# KiCad board MPPT Li-Ion CN3791 charger board_panel.kicad_pcb (continued)
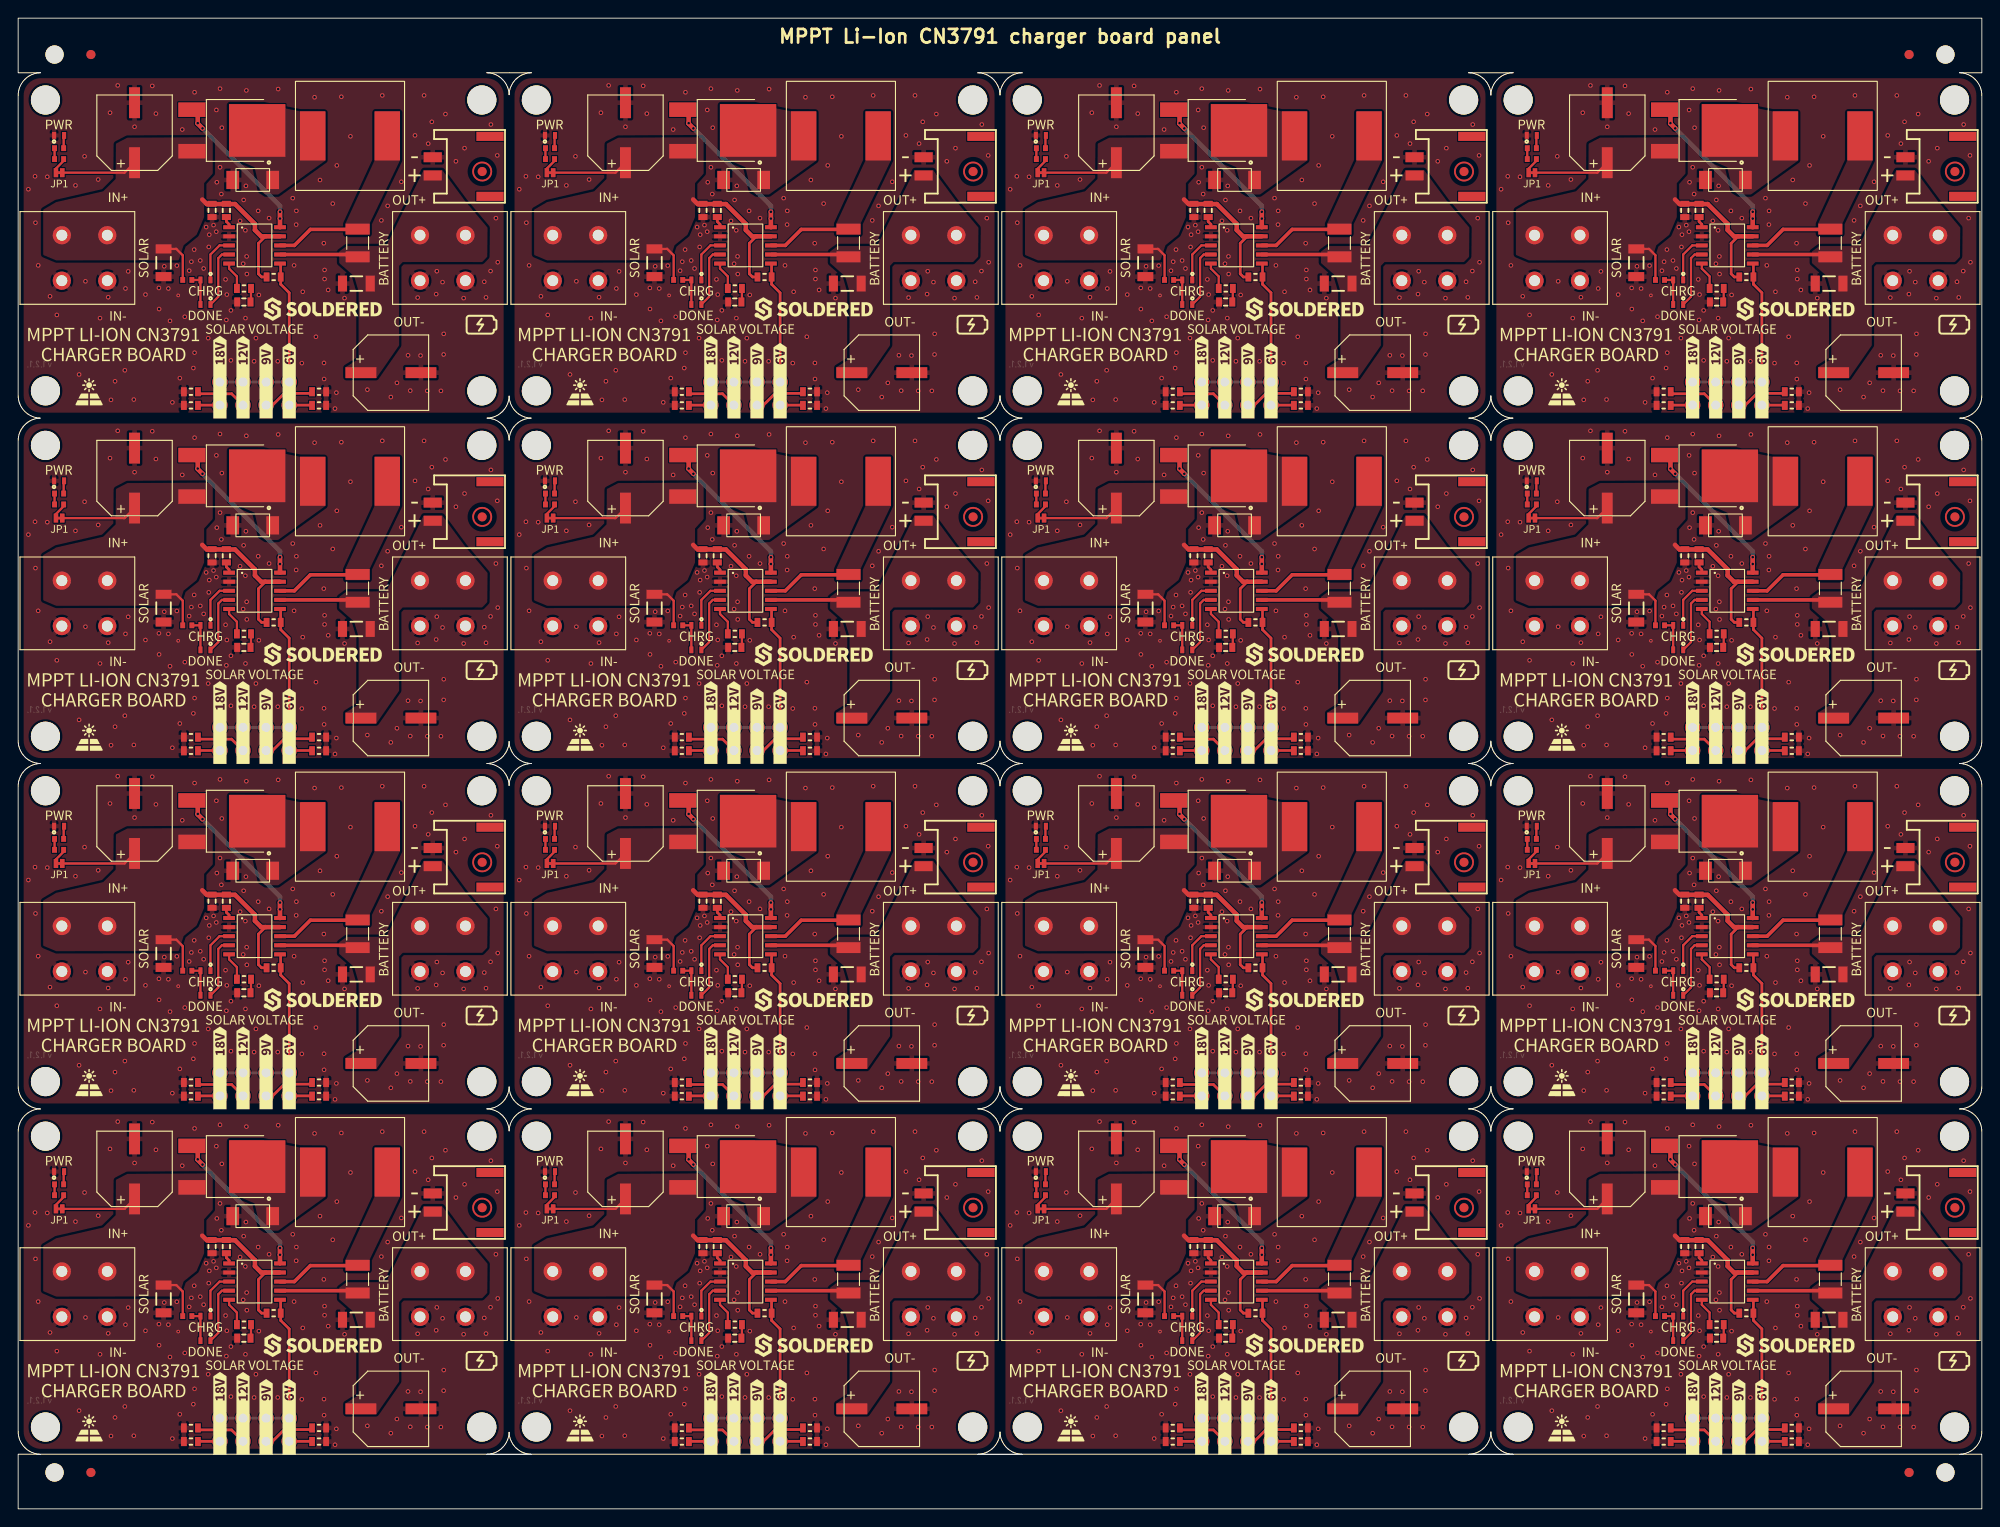
[diagram p0: board, top side]
## Placement (name value [footprint] x y rotation side) (continued)
REF**#63  -  [Logo-Back-CE-3.5mm]  66.5 122 0 top
REF**#64  -  [Logo-Front-SolderedFULL-13mm]  33.5 56 0 top
REF**#65  -  [Logo-Back-CE-3.5mm]  120.5 8 0 top
REF**#66  -  [Logo-Front-SolderedFULL-13mm]  195.5 56 0 top
REF**#67  -  [Logo-Front-SolderedFULL-13mm]  195.5 18 0 top
REF**#68  -  [Logo-Back-UKCA-3.5mm]  62 84 0 top
REF**#69  -  [Logo-Back-UKCA-3.5mm]  62 122 0 top
REF**#70  -  [Logo-Front-SolderedFULL-13mm]  33.5 18 0 top
REF**#71  Logo-Front-SolderedFULL-20mm  [Logo-Back-SolderedFULL-20mm]  189 101 0 top
REF**#72  -  [Logo-Front-SolderedFULL-13mm]  195.5 132 0 top
REF**#73  -  [Version1.2.1.]  164.1 50 180 bottom
REF**#74  -  [Version1.2.1.]  56.1 50 180 bottom
REF**#75  -  [Fiducial]  8 160 0 bottom
REF**#76  -  [Version1.2.1.]  110.1 50 180 bottom
REF**#77  -  [Version1.2.1.]  164.1 88 180 bottom
REF**#78  -  [Version1.2.1.]  56.1 126 180 bottom
REF**#79  -  [Fiducial]  8 4 0 bottom
REF**#80  -  [Version1.2.1.]  164.1 126 180 bottom
REF**#81  -  [Version1.2.1.]  2.1 50 180 bottom
REF**#82  -  [Version1.2.1.]  2.1 126 180 bottom
REF**#83  -  [Version1.2.1.]  110.1 88 180 bottom
REF**#84  -  [Version1.2.1.]  110.1 126 180 bottom
REF**#85  -  [Fiducial]  208 160 0 bottom
REF**#86  -  [Fiducial]  208 4 0 bottom
REF**#87  -  [Version1.2.1.]  2.1 88 180 bottom
REF**#88  -  [Version1.2.1.]  110.1 12 180 bottom
REF**#89  -  [Version1.2.1.]  164.1 12 180 bottom
REF**#90  -  [Version1.2.1.]  2.1 12 180 bottom
REF**#91  -  [Version1.2.1.]  56.1 12 180 bottom
REF**#92  -  [Version1.2.1.]  56.1 88 180 bottom
U1  -  [CN3791]  134 101 0 top
U1#2  -  [CN3791]  134 139 0 top
U1#3  -  [CN3791]  26 139 0 top
U1#4  -  [CN3791]  80 101 0 top
U1#5  -  [CN3791]  188 101 0 top
U1#6  -  [CN3791]  26 25 0 top
U1#7  -  [CN3791]  80 25 0 top
U1#8  -  [CN3791]  80 139 0 top
U1#9  -  [CN3791]  26 101 0 top
U1#10  -  [CN3791]  134 63 0 top
U1#11  -  [CN3791]  188 25 0 top
U1#12  -  [CN3791]  188 63 0 top
U1#13  -  [CN3791]  188 139 0 top
U1#14  -  [CN3791]  26 63 0 top
U1#15  -  [CN3791]  134 25 0 top
U1#16  -  [CN3791]  80 63 0 top

## Library data of the parts
D1 D1#2-D1#16 D2 D2#2-D2#16 = -: Package: 0402

## Footprints (pads in the part's own frame, mm; a bottom-side part is the same pattern mirrored in y, then rotated)
0402LED
  rect 0.45x0.75 smd: 1(0.55,0) 2(-0.55,0)
0402R
  rect 0.54x0.64 smd: 1(-0.5,0) 2(0.5,0)
0603C
  rect 0.66x1 smd: 1(-0.73,0) 2(0.73,0)
0603R
  rect 0.64x1 smd: 1(-0.775,0) 2(0.775,0)
1206C
  rect 1x1.75 smd: 1(-1.525,0) 2(1.525,0)
1210R
  rect 1.2x2.65 smd: 1(-1.525,0) 2(1.525,0)
CN3791
  rect 1.3x0.45 smd: 1(-2.8,2) 2(-2.8,1) 3(-2.8,0) 4(-2.8,-1) 5(-2.8,-2) 6(2.8,-2) 7(2.8,-1) 8(2.8,0) 9(2.8,1) 10(2.8,2)
DPAK
  rect 3x1.6 smd: 1(2.79,-2.285) 3(2.79,2.285)
  rect 6.2x5.8 smd: 2(-4.39,0)
ELECTROLITIC_CAP_8x8x14.5
  rect 3.4x1.2 smd: 1(-3.3,0) 2(3.3,0)
Fiducial
  round 1 smd: (0,0)
FIDUCIAL_23
  round 1 smd: 1(0,0)
HEADER_FEMALE_4X2
  round 1.7 hole 1: 1(-1.27,3.81) 2(-1.27,1.27) 3(-1.27,-1.27) 4(-1.27,-3.81) 5(1.27,-3.81) 6(1.27,-1.27) 7(1.27,1.27) 8(1.27,3.81)
HOLE_3.2mm
  round 3.2 hole 3.2 unplated: (0,0)
JST-2pin-SMD
  rect 1x3 smd: (-3.3,3.15) (3.3,3.15)
  rect 1.1x2 smd: 1(1,-3.15) 2(-1,-3.15)
NPTH
  round 2 hole 2 unplated: (0,0)
RBR5LAM30ATFTR
  rect 1.4x2 smd: 1(2.2,0) 2(-2.2,0)
SMD-JUMPER-CONNECTED_TRACE_SLODERMASK
  rect 0.5x1 smd: 1(-0.35,0) 2(0.35,0)
TERMINAL_KF235-5.0-2P
  round 2 hole 1.2: 1(2.5,2.5) 1(2.5,-2.5) 2(-2.5,2.5) 2(-2.5,-2.5)
YPRH1209-470M
  rect 2.8x5.4 smd: 1(-4.1,0) 2(4.1,0)

## Nets
Board_0-BAT: C6#11.2 C7#12.1 K3#13.1 K6#7.1 R8#5.2 U1#3.7
Board_0-GND: C1#12.1 C2#3.1 C3#16.2 C5#12.1 C6#11.1 C7#12.2 D4#13.2 D5#14.2 K1#4.1 K3#13.2 K6#7.2 R3#12.1 R4#8.1 R6#11.1 R7#14.1 U1#3.2
Board_0-Net-(C4-Pad1): C4#10.1 U1#3.1
Board_0-Net-(C5-Pad2): C5#12.2 R2#2.1
Board_0-Net-(D1-Pad1): D1#8.1 D2#8.1 R1#15.1
Board_0-Net-(D1-Pad2): D1#8.2 U1#3.4
Board_0-Net-(D2-Pad2): D2#8.2 U1#3.3
Board_0-Net-(D3-Pad1): D3#10.1 U1#3.10
Board_0-Net-(D3-Pad2): D3#10.2 D4#13.1 L1#5.1
Board_0-Net-(D5-Pad1): D5#14.1 R9#9.2
Board_0-Net-(JP1-Pad2): JP1#7.2 R10.1
Board_0-Net-(K2-Pad1): K2#11.1 R3#12.2
Board_0-Net-(K2-Pad2): K2#11.2 R4#8.2
Board_0-Net-(K2-Pad3): K2#11.3 R6#11.2
Board_0-Net-(K2-Pad4): K2#11.4 K2#11.5 K2#11.6 K2#11.7 K2#11.8 R5#10.1 R7#14.2 U1#3.6
Board_0-Net-(L1-Pad2): L1#5.2 R8#5.1 U1#3.8
Board_0-Net-(R2-Pad2): R2#2.2 U1#3.5
Board_0-Net-(R10-Pad2): R9#9.1 R10.2
Board_0-VCC: C1#12.2 C2#3.2 C3#16.1 C4#10.2 D3#10.3 JP1#7.1 K1#4.2 R1#15.2 R5#10.2 U1#3.9
Board_1-BAT: C6#2.2 C7#16.1 K3.1 K6#2.1 R8#15.2 U1#8.7
Board_1-GND: C1#10.1 C2#12.1 C3#12.2 C5.1 C6#2.1 C7#16.2 D4#10.2 D5#11.2 K1#10.1 K3.2 K6#2.2 R3#14.1 R4#2.1 R6#2.1 R7#15.1 U1#8.2
Board_1-Net-(C4-Pad1): C4#6.1 U1#8.1
Board_1-Net-(C5-Pad2): C5.2 R2#16.1
Board_1-Net-(D1-Pad1): D1#2.1 D2#5.1 R1#13.1
Board_1-Net-(D1-Pad2): D1#2.2 U1#8.4
Board_1-Net-(D2-Pad2): D2#5.2 U1#8.3
Board_1-Net-(D3-Pad1): D3#14.1 U1#8.10
Board_1-Net-(D3-Pad2): D3#14.2 D4#10.1 L1#16.1
Board_1-Net-(D5-Pad1): D5#11.1 R9#6.2
Board_1-Net-(JP1-Pad2): JP1#4.2 R10#8.1
Board_1-Net-(K2-Pad1): K2#14.1 R3#14.2
Board_1-Net-(K2-Pad2): K2#14.2 R4#2.2
Board_1-Net-(K2-Pad3): K2#14.3 R6#2.2
Board_1-Net-(K2-Pad4): K2#14.4 K2#14.5 K2#14.6 K2#14.7 K2#14.8 R5#11.1 R7#15.2 U1#8.6
Board_1-Net-(L1-Pad2): L1#16.2 R8#15.1 U1#8.8
Board_1-Net-(R2-Pad2): R2#16.2 U1#8.5
Board_1-Net-(R10-Pad2): R9#6.1 R10#8.2
Board_1-VCC: C1#10.2 C2#12.2 C3#12.1 C4#6.2 D3#14.3 JP1#4.1 K1#10.2 R1#13.2 R5#11.2 U1#8.9
Board_2-BAT: C6#15.2 C7#4.1 K3#16.1 K6#5.1 R8#2.2 U1#2.7
Board_2-GND: C1.1 C2#8.1 C3#14.2 C5#3.1 C6#15.1 C7#4.2 D4#7.2 D5#12.2 K1#2.1 K3#16.2 K6#5.2 R3#16.1 R4#13.1 R6#7.1 R7#4.1 U1#2.2
Board_2-Net-(C4-Pad1): C4#4.1 U1#2.1
Board_2-Net-(C5-Pad2): C5#3.2 R2#5.1
Board_2-Net-(D1-Pad1): D1#15.1 D2#7.1 R1#11.1
Board_2-Net-(D1-Pad2): D1#15.2 U1#2.4
Board_2-Net-(D2-Pad2): D2#7.2 U1#2.3
Board_2-Net-(D3-Pad1): D3.1 U1#2.10
Board_2-Net-(D3-Pad2): D3.2 D4#7.1 L1#6.1
Board_2-Net-(D5-Pad1): D5#12.1 R9#12.2
Board_2-Net-(JP1-Pad2): JP1#11.2 R10#12.1
Board_2-Net-(K2-Pad1): K2#3.1 R3#16.2
Board_2-Net-(K2-Pad2): K2#3.2 R4#13.2
Board_2-Net-(K2-Pad3): K2#3.3 R6#7.2
Board_2-Net-(K2-Pad4): K2#3.4 K2#3.5 K2#3.6 K2#3.7 K2#3.8 R5#3.1 R7#4.2 U1#2.6
Board_2-Net-(L1-Pad2): L1#6.2 R8#2.1 U1#2.8
Board_2-Net-(R2-Pad2): R2#5.2 U1#2.5
Board_2-Net-(R10-Pad2): R9#12.1 R10#12.2
Board_2-VCC: C1.2 C2#8.2 C3#14.1 C4#4.2 D3.3 JP1#11.1 K1#2.2 R1#11.2 R5#3.2 U1#2.9
Board_3-BAT: C6#5.2 C7#6.1 K3#15.1 K6#13.1 R8#12.2 U1#13.7
Board_3-GND: C1#11.1 C2#9.1 C3#7.2 C5#5.1 C6#5.1 C7#6.2 D4#2.2 D5#15.2 K1#16.1 K3#15.2 K6#13.2 R3#7.1 R4#14.1 R6#15.1 R7#12.1 U1#13.2
Board_3-Net-(C4-Pad1): C4#7.1 U1#13.1
Board_3-Net-(C5-Pad2): C5#5.2 R2#10.1
Board_3-Net-(D1-Pad1): D1#12.1 D2#6.1 R1#14.1
Board_3-Net-(D1-Pad2): D1#12.2 U1#13.4
Board_3-Net-(D2-Pad2): D2#6.2 U1#13.3
Board_3-Net-(D3-Pad1): D3#5.1 U1#13.10
Board_3-Net-(D3-Pad2): D3#5.2 D4#2.1 L1#9.1
Board_3-Net-(D5-Pad1): D5#15.1 R9#11.2
Board_3-Net-(JP1-Pad2): JP1#10.2 R10#14.1
Board_3-Net-(K2-Pad1): K2#16.1 R3#7.2
Board_3-Net-(K2-Pad2): K2#16.2 R4#14.2
Board_3-Net-(K2-Pad3): K2#16.3 R6#15.2
Board_3-Net-(K2-Pad4): K2#16.4 K2#16.5 K2#16.6 K2#16.7 K2#16.8 R5#16.1 R7#12.2 U1#13.6
Board_3-Net-(L1-Pad2): L1#9.2 R8#12.1 U1#13.8
Board_3-Net-(R2-Pad2): R2#10.2 U1#13.5
Board_3-Net-(R10-Pad2): R9#11.1 R10#14.2
Board_3-VCC: C1#11.2 C2#9.2 C3#7.1 C4#7.2 D3#5.3 JP1#10.1 K1#16.2 R1#14.2 R5#16.2 U1#13.9
Board_4-BAT: C6.2 C7#9.1 K3#2.1 K6#15.1 R8#3.2 U1#9.7
Board_4-GND: C1#13.1 C2#14.1 C3#8.2 C5#16.1 C6.1 C7#9.2 D4#12.2 D5.2 K1#15.1 K3#2.2 K6#15.2 R3#15.1 R4#10.1 R6#8.1 R7#9.1 U1#9.2
Board_4-Net-(C4-Pad1): C4#12.1 U1#9.1
Board_4-Net-(C5-Pad2): C5#16.2 R2#4.1
Board_4-Net-(D1-Pad1): D1#6.1 D2#15.1 R1#7.1
Board_4-Net-(D1-Pad2): D1#6.2 U1#9.4
Board_4-Net-(D2-Pad2): D2#15.2 U1#9.3
Board_4-Net-(D3-Pad1): D3#4.1 U1#9.10
Board_4-Net-(D3-Pad2): D3#4.2 D4#12.1 L1#2.1
Board_4-Net-(D5-Pad1): D5.1 R9#4.2
Board_4-Net-(JP1-Pad2): JP1#16.2 R10#3.1
Board_4-Net-(K2-Pad1): K2#12.1 R3#15.2
Board_4-Net-(K2-Pad2): K2#12.2 R4#10.2
Board_4-Net-(K2-Pad3): K2#12.3 R6#8.2
Board_4-Net-(K2-Pad4): K2#12.4 K2#12.5 K2#12.6 K2#12.7 K2#12.8 R5#13.1 R7#9.2 U1#9.6
Board_4-Net-(L1-Pad2): L1#2.2 R8#3.1 U1#9.8
Board_4-Net-(R2-Pad2): R2#4.2 U1#9.5
Board_4-Net-(R10-Pad2): R9#4.1 R10#3.2
Board_4-VCC: C1#13.2 C2#14.2 C3#8.1 C4#12.2 D3#4.3 JP1#16.1 K1#15.2 R1#7.2 R5#13.2 U1#9.9
Board_5-BAT: C6#6.2 C7#15.1 K3#10.1 K6#3.1 R8#8.2 U1#4.7
Board_5-GND: C1#16.1 C2.1 C3#13.2 C5#15.1 C6#6.1 C7#15.2 D4#8.2 D5#10.2 K1#12.1 K3#10.2 K6#3.2 R3#4.1 R4#7.1 R6#13.1 R7#3.1 U1#4.2
Board_5-Net-(C4-Pad1): C4#9.1 U1#4.1
Board_5-Net-(C5-Pad2): C5#15.2 R2#7.1
Board_5-Net-(D1-Pad1): D1#4.1 D2#13.1 R1#4.1
Board_5-Net-(D1-Pad2): D1#4.2 U1#4.4
Board_5-Net-(D2-Pad2): D2#13.2 U1#4.3
Board_5-Net-(D3-Pad1): D3#15.1 U1#4.10
Board_5-Net-(D3-Pad2): D3#15.2 D4#8.1 L1#7.1
Board_5-Net-(D5-Pad1): D5#10.1 R9#16.2
Board_5-Net-(JP1-Pad2): JP1#14.2 R10#6.1
Board_5-Net-(K2-Pad1): K2#7.1 R3#4.2
Board_5-Net-(K2-Pad2): K2#7.2 R4#7.2
Board_5-Net-(K2-Pad3): K2#7.3 R6#13.2
Board_5-Net-(K2-Pad4): K2#7.4 K2#7.5 K2#7.6 K2#7.7 K2#7.8 R5#15.1 R7#3.2 U1#4.6
Board_5-Net-(L1-Pad2): L1#7.2 R8#8.1 U1#4.8
Board_5-Net-(R2-Pad2): R2#7.2 U1#4.5
Board_5-Net-(R10-Pad2): R9#16.1 R10#6.2
Board_5-VCC: C1#16.2 C2.2 C3#13.1 C4#9.2 D3#15.3 JP1#14.1 K1#12.2 R1#4.2 R5#15.2 U1#4.9
Board_6-BAT: C6#13.2 C7#14.1 K3#9.1 K6#14.1 R8#4.2 U1.7
Board_6-GND: C1#15.1 C2#15.1 C3#3.2 C5#14.1 C6#13.1 C7#14.2 D4#3.2 D5#16.2 K1#9.1 K3#9.2 K6#14.2 R3#3.1 R4#9.1 R6#14.1 R7.1 U1.2
Board_6-Net-(C4-Pad1): C4#11.1 U1.1
Board_6-Net-(C5-Pad2): C5#14.2 R2.1
Board_6-Net-(D1-Pad1): D1#10.1 D2#16.1 R1#2.1
Board_6-Net-(D1-Pad2): D1#10.2 U1.4
Board_6-Net-(D2-Pad2): D2#16.2 U1.3
Board_6-Net-(D3-Pad1): D3#13.1 U1.10
Board_6-Net-(D3-Pad2): D3#13.2 D4#3.1 L1#13.1
Board_6-Net-(D5-Pad1): D5#16.1 R9#13.2
Board_6-Net-(JP1-Pad2): JP1#2.2 R10#15.1
Board_6-Net-(K2-Pad1): K2#15.1 R3#3.2
Board_6-Net-(K2-Pad2): K2#15.2 R4#9.2
Board_6-Net-(K2-Pad3): K2#15.3 R6#14.2
Board_6-Net-(K2-Pad4): K2#15.4 K2#15.5 K2#15.6 K2#15.7 K2#15.8 R5#7.1 R7.2 U1.6
Board_6-Net-(L1-Pad2): L1#13.2 R8#4.1 U1.8
Board_6-Net-(R2-Pad2): R2.2 U1.5
Board_6-Net-(R10-Pad2): R9#13.1 R10#15.2
Board_6-VCC: C1#15.2 C2#15.2 C3#3.1 C4#11.2 D3#13.3 JP1#2.1 K1#9.2 R1#2.2 R5#7.2 U1.9
Board_7-BAT: C6#4.2 C7#3.1 K3#14.1 K6#9.1 R8#10.2 U1#5.7
Board_7-GND: C1#9.1 C2#13.1 C3#2.2 C5#11.1 C6#4.1 C7#3.2 D4#4.2 D5#3.2 K1.1 K3#14.2 K6#9.2 R3.1 R4#3.1 R6#12.1 R7#8.1 U1#5.2
Board_7-Net-(C4-Pad1): C4#14.1 U1#5.1
Board_7-Net-(C5-Pad2): C5#11.2 R2#14.1
Board_7-Net-(D1-Pad1): D1#16.1 D2#9.1 R1#10.1
Board_7-Net-(D1-Pad2): D1#16.2 U1#5.4
Board_7-Net-(D2-Pad2): D2#9.2 U1#5.3
Board_7-Net-(D3-Pad1): D3#2.1 U1#5.10
Board_7-Net-(D3-Pad2): D3#2.2 D4#4.1 L1#3.1
Board_7-Net-(D5-Pad1): D5#3.1 R9#15.2
Board_7-Net-(JP1-Pad2): JP1.2 R10#16.1
Board_7-Net-(K2-Pad1): K2#5.1 R3.2
Board_7-Net-(K2-Pad2): K2#5.2 R4#3.2
Board_7-Net-(K2-Pad3): K2#5.3 R6#12.2
Board_7-Net-(K2-Pad4): K2#5.4 K2#5.5 K2#5.6 K2#5.7 K2#5.8 R5#12.1 R7#8.2 U1#5.6
Board_7-Net-(L1-Pad2): L1#3.2 R8#10.1 U1#5.8
Board_7-Net-(R2-Pad2): R2#14.2 U1#5.5
Board_7-Net-(R10-Pad2): R9#15.1 R10#16.2
Board_7-VCC: C1#9.2 C2#13.2 C3#2.1 C4#14.2 D3#2.3 JP1.1 K1.2 R1#10.2 R5#12.2 U1#5.9
Board_8-BAT: C6#14.2 C7#2.1 K3#3.1 K6#4.1 R8#14.2 U1#14.7
Board_8-GND: C1#3.1 C2#16.1 C3.2 C5#2.1 C6#14.1 C7#2.2 D4#14.2 D5#6.2 K1#11.1 K3#3.2 K6#4.2 R3#5.1 R4#16.1 R6#4.1 R7#10.1 U1#14.2
Board_8-Net-(C4-Pad1): C4#13.1 U1#14.1
Board_8-Net-(C5-Pad2): C5#2.2 R2#9.1
Board_8-Net-(D1-Pad1): D1.1 D2#12.1 R1.1
Board_8-Net-(D1-Pad2): D1.2 U1#14.4
Board_8-Net-(D2-Pad2): D2#12.2 U1#14.3
Board_8-Net-(D3-Pad1): D3#3.1 U1#14.10
Board_8-Net-(D3-Pad2): D3#3.2 D4#14.1 L1#12.1
Board_8-Net-(D5-Pad1): D5#6.1 R9#3.2
Board_8-Net-(JP1-Pad2): JP1#13.2 R10#4.1
Board_8-Net-(K2-Pad1): K2#8.1 R3#5.2
Board_8-Net-(K2-Pad2): K2#8.2 R4#16.2
Board_8-Net-(K2-Pad3): K2#8.3 R6#4.2
Board_8-Net-(K2-Pad4): K2#8.4 K2#8.5 K2#8.6 K2#8.7 K2#8.8 R5#5.1 R7#10.2 U1#14.6
Board_8-Net-(L1-Pad2): L1#12.2 R8#14.1 U1#14.8
Board_8-Net-(R2-Pad2): R2#9.2 U1#14.5
Board_8-Net-(R10-Pad2): R9#3.1 R10#4.2
Board_8-VCC: C1#3.2 C2#16.2 C3.1 C4#13.2 D3#3.3 JP1#13.1 K1#11.2 R1.2 R5#5.2 U1#14.9
Board_9-BAT: C6#10.2 C7#13.1 K3#6.1 K6#11.1 R8#11.2 U1#16.7
Board_9-GND: C1#8.1 C2#5.1 C3#6.2 C5#13.1 C6#10.1 C7#13.2 D4#9.2 D5#7.2 K1#14.1 K3#6.2 K6#11.2 R3#2.1 R4#15.1 R6#3.1 R7#7.1 U1#16.2
Board_9-Net-(C4-Pad1): C4#2.1 U1#16.1
Board_9-Net-(C5-Pad2): C5#13.2 R2#6.1
Board_9-Net-(D1-Pad1): D1#5.1 D2#4.1 R1#8.1
Board_9-Net-(D1-Pad2): D1#5.2 U1#16.4
Board_9-Net-(D2-Pad2): D2#4.2 U1#16.3
Board_9-Net-(D3-Pad1): D3#12.1 U1#16.10
Board_9-Net-(D3-Pad2): D3#12.2 D4#9.1 L1#11.1
Board_9-Net-(D5-Pad1): D5#7.1 R9#8.2
Board_9-Net-(JP1-Pad2): JP1#5.2 R10#2.1
Board_9-Net-(K2-Pad1): K2#6.1 R3#2.2
Board_9-Net-(K2-Pad2): K2#6.2 R4#15.2
Board_9-Net-(K2-Pad3): K2#6.3 R6#3.2
Board_9-Net-(K2-Pad4): K2#6.4 K2#6.5 K2#6.6 K2#6.7 K2#6.8 R5.1 R7#7.2 U1#16.6
Board_9-Net-(L1-Pad2): L1#11.2 R8#11.1 U1#16.8
Board_9-Net-(R2-Pad2): R2#6.2 U1#16.5
Board_9-Net-(R10-Pad2): R9#8.1 R10#2.2
Board_9-VCC: C1#8.2 C2#5.2 C3#6.1 C4#2.2 D3#12.3 JP1#5.1 K1#14.2 R1#8.2 R5.2 U1#16.9
Board_10-BAT: C6#9.2 C7.1 K3#8.1 K6#10.1 R8#13.2 U1#10.7
Board_10-GND: C1#7.1 C2#2.1 C3#11.2 C5#9.1 C6#9.1 C7.2 D4#11.2 D5#2.2 K1#8.1 K3#8.2 K6#10.2 R3#10.1 R4#12.1 R6#6.1 R7#11.1 U1#10.2
Board_10-Net-(C4-Pad1): C4#5.1 U1#10.1
Board_10-Net-(C5-Pad2): C5#9.2 R2#3.1
Board_10-Net-(D1-Pad1): D1#14.1 D2.1 R1#6.1
Board_10-Net-(D1-Pad2): D1#14.2 U1#10.4
Board_10-Net-(D2-Pad2): D2.2 U1#10.3
Board_10-Net-(D3-Pad1): D3#7.1 U1#10.10
Board_10-Net-(D3-Pad2): D3#7.2 D4#11.1 L1#15.1
Board_10-Net-(D5-Pad1): D5#2.1 R9.2
Board_10-Net-(JP1-Pad2): JP1#6.2 R10#13.1
Board_10-Net-(K2-Pad1): K2.1 R3#10.2
Board_10-Net-(K2-Pad2): K2.2 R4#12.2
Board_10-Net-(K2-Pad3): K2.3 R6#6.2
Board_10-Net-(K2-Pad4): K2.4 K2.5 K2.6 K2.7 K2.8 R5#9.1 R7#11.2 U1#10.6
Board_10-Net-(L1-Pad2): L1#15.2 R8#13.1 U1#10.8
Board_10-Net-(R2-Pad2): R2#3.2 U1#10.5
Board_10-Net-(R10-Pad2): R9.1 R10#13.2
Board_10-VCC: C1#7.2 C2#2.2 C3#11.1 C4#5.2 D3#7.3 JP1#6.1 K1#8.2 R1#6.2 R5#9.2 U1#10.9
Board_11-BAT: C6#7.2 C7#11.1 K3#7.1 K6#16.1 R8#9.2 U1#12.7
Board_11-GND: C1#4.1 C2#11.1 C3#10.2 C5#7.1 C6#7.1 C7#11.2 D4#6.2 D5#4.2 K1#7.1 K3#7.2 K6#16.2 R3#8.1 R4#6.1 R6#5.1 R7#2.1 U1#12.2
Board_11-Net-(C4-Pad1): C4.1 U1#12.1
Board_11-Net-(C5-Pad2): C5#7.2 R2#13.1
Board_11-Net-(D1-Pad1): D1#3.1 D2#10.1 R1#12.1
Board_11-Net-(D1-Pad2): D1#3.2 U1#12.4
Board_11-Net-(D2-Pad2): D2#10.2 U1#12.3
Board_11-Net-(D3-Pad1): D3#9.1 U1#12.10
Board_11-Net-(D3-Pad2): D3#9.2 D4#6.1 L1#8.1
Board_11-Net-(D5-Pad1): D5#4.1 R9#10.2
Board_11-Net-(JP1-Pad2): JP1#8.2 R10#7.1
Board_11-Net-(K2-Pad1): K2#2.1 R3#8.2
Board_11-Net-(K2-Pad2): K2#2.2 R4#6.2
Board_11-Net-(K2-Pad3): K2#2.3 R6#5.2
Board_11-Net-(K2-Pad4): K2#2.4 K2#2.5 K2#2.6 K2#2.7 K2#2.8 R5#8.1 R7#2.2 U1#12.6
Board_11-Net-(L1-Pad2): L1#8.2 R8#9.1 U1#12.8
Board_11-Net-(R2-Pad2): R2#13.2 U1#12.5
Board_11-Net-(R10-Pad2): R9#10.1 R10#7.2
Board_11-VCC: C1#4.2 C2#11.2 C3#10.1 C4.2 D3#9.3 JP1#8.1 K1#7.2 R1#12.2 R5#8.2 U1#12.9
Board_12-BAT: C6#16.2 C7#5.1 K3#11.1 K6.1 R8#6.2 U1#6.7
Board_12-GND: C1#2.1 C2#6.1 C3#4.2 C5#10.1 C6#16.1 C7#5.2 D4#15.2 D5#5.2 K1#6.1 K3#11.2 K6.2 R3#11.1 R4.1 R6#9.1 R7#5.1 U1#6.2
Board_12-Net-(C4-Pad1): C4#3.1 U1#6.1
Board_12-Net-(C5-Pad2): C5#10.2 R2#11.1
Board_12-Net-(D1-Pad1): D1#11.1 D2#11.1 R1#3.1
Board_12-Net-(D1-Pad2): D1#11.2 U1#6.4
Board_12-Net-(D2-Pad2): D2#11.2 U1#6.3
Board_12-Net-(D3-Pad1): D3#6.1 U1#6.10
Board_12-Net-(D3-Pad2): D3#6.2 D4#15.1 L1#4.1
Board_12-Net-(D5-Pad1): D5#5.1 R9#5.2
Board_12-Net-(JP1-Pad2): JP1#15.2 R10#9.1
Board_12-Net-(K2-Pad1): K2#4.1 R3#11.2
Board_12-Net-(K2-Pad2): K2#4.2 R4.2
Board_12-Net-(K2-Pad3): K2#4.3 R6#9.2
Board_12-Net-(K2-Pad4): K2#4.4 K2#4.5 K2#4.6 K2#4.7 K2#4.8 R5#2.1 R7#5.2 U1#6.6
Board_12-Net-(L1-Pad2): L1#4.2 R8#6.1 U1#6.8
Board_12-Net-(R2-Pad2): R2#11.2 U1#6.5
Board_12-Net-(R10-Pad2): R9#5.1 R10#9.2
Board_12-VCC: C1#2.2 C2#6.2 C3#4.1 C4#3.2 D3#6.3 JP1#15.1 K1#6.2 R1#3.2 R5#2.2 U1#6.9
Board_13-BAT: C6#8.2 C7#8.1 K3#12.1 K6#8.1 R8#16.2 U1#7.7
Board_13-GND: C1#6.1 C2#10.1 C3#5.2 C5#8.1 C6#8.1 C7#8.2 D4.2 D5#13.2 K1#3.1 K3#12.2 K6#8.2 R3#6.1 R4#11.1 R6.1 R7#16.1 U1#7.2
Board_13-Net-(C4-Pad1): C4#16.1 U1#7.1
Board_13-Net-(C5-Pad2): C5#8.2 R2#8.1
Board_13-Net-(D1-Pad1): D1#7.1 D2#14.1 R1#16.1
Board_13-Net-(D1-Pad2): D1#7.2 U1#7.4
Board_13-Net-(D2-Pad2): D2#14.2 U1#7.3
Board_13-Net-(D3-Pad1): D3#16.1 U1#7.10
Board_13-Net-(D3-Pad2): D3#16.2 D4.1 L1.1
Board_13-Net-(D5-Pad1): D5#13.1 R9#2.2
Board_13-Net-(JP1-Pad2): JP1#12.2 R10#5.1
Board_13-Net-(K2-Pad1): K2#9.1 R3#6.2
Board_13-Net-(K2-Pad2): K2#9.2 R4#11.2
Board_13-Net-(K2-Pad3): K2#9.3 R6.2
Board_13-Net-(K2-Pad4): K2#9.4 K2#9.5 K2#9.6 K2#9.7 K2#9.8 R5#14.1 R7#16.2 U1#7.6
Board_13-Net-(L1-Pad2): L1.2 R8#16.1 U1#7.8
Board_13-Net-(R2-Pad2): R2#8.2 U1#7.5
Board_13-Net-(R10-Pad2): R9#2.1 R10#5.2
Board_13-VCC: C1#6.2 C2#10.2 C3#5.1 C4#16.2 D3#16.3 JP1#12.1 K1#3.2 R1#16.2 R5#14.2 U1#7.9
Board_14-BAT: C6#3.2 C7#7.1 K3#5.1 K6#12.1 R8.2 U1#15.7
Board_14-GND: C1#14.1 C2#4.1 C3#9.2 C5#4.1 C6#3.1 C7#7.2 D4#5.2 D5#8.2 K1#5.1 K3#5.2 K6#12.2 R3#13.1 R4#5.1 R6#10.1 R7#6.1 U1#15.2
Board_14-Net-(C4-Pad1): C4#15.1 U1#15.1
Board_14-Net-(C5-Pad2): C5#4.2 R2#15.1
Board_14-Net-(D1-Pad1): D1#13.1 D2#3.1 R1#5.1
Board_14-Net-(D1-Pad2): D1#13.2 U1#15.4
Board_14-Net-(D2-Pad2): D2#3.2 U1#15.3
Board_14-Net-(D3-Pad1): D3#11.1 U1#15.10
Board_14-Net-(D3-Pad2): D3#11.2 D4#5.1 L1#14.1
Board_14-Net-(D5-Pad1): D5#8.1 R9#14.2
Board_14-Net-(JP1-Pad2): JP1#9.2 R10#10.1
Board_14-Net-(K2-Pad1): K2#13.1 R3#13.2
Board_14-Net-(K2-Pad2): K2#13.2 R4#5.2
Board_14-Net-(K2-Pad3): K2#13.3 R6#10.2
Board_14-Net-(K2-Pad4): K2#13.4 K2#13.5 K2#13.6 K2#13.7 K2#13.8 R5#4.1 R7#6.2 U1#15.6
Board_14-Net-(L1-Pad2): L1#14.2 R8.1 U1#15.8
Board_14-Net-(R2-Pad2): R2#15.2 U1#15.5
Board_14-Net-(R10-Pad2): R9#14.1 R10#10.2
Board_14-VCC: C1#14.2 C2#4.2 C3#9.1 C4#15.2 D3#11.3 JP1#9.1 K1#5.2 R1#5.2 R5#4.2 U1#15.9
Board_15-BAT: C6#12.2 C7#10.1 K3#4.1 K6#6.1 R8#7.2 U1#11.7
Board_15-GND: C1#5.1 C2#7.1 C3#15.2 C5#6.1 C6#12.1 C7#10.2 D4#16.2 D5#9.2 K1#13.1 K3#4.2 K6#6.2 R3#9.1 R4#4.1 R6#16.1 R7#13.1 U1#11.2
Board_15-Net-(C4-Pad1): C4#8.1 U1#11.1
Board_15-Net-(C5-Pad2): C5#6.2 R2#12.1
Board_15-Net-(D1-Pad1): D1#9.1 D2#2.1 R1#9.1
Board_15-Net-(D1-Pad2): D1#9.2 U1#11.4
Board_15-Net-(D2-Pad2): D2#2.2 U1#11.3
Board_15-Net-(D3-Pad1): D3#8.1 U1#11.10
Board_15-Net-(D3-Pad2): D3#8.2 D4#16.1 L1#10.1
Board_15-Net-(D5-Pad1): D5#9.1 R9#7.2
Board_15-Net-(JP1-Pad2): JP1#3.2 R10#11.1
Board_15-Net-(K2-Pad1): K2#10.1 R3#9.2
Board_15-Net-(K2-Pad2): K2#10.2 R4#4.2
Board_15-Net-(K2-Pad3): K2#10.3 R6#16.2
Board_15-Net-(K2-Pad4): K2#10.4 K2#10.5 K2#10.6 K2#10.7 K2#10.8 R5#6.1 R7#13.2 U1#11.6
Board_15-Net-(L1-Pad2): L1#10.2 R8#7.1 U1#11.8
Board_15-Net-(R2-Pad2): R2#12.2 U1#11.5
Board_15-Net-(R10-Pad2): R9#7.1 R10#11.2
Board_15-VCC: C1#5.2 C2#7.2 C3#15.1 C4#8.2 D3#8.3 JP1#3.1 K1#13.2 R1#9.2 R5#6.2 U1#11.9

Pads without a net: FD1 1; FD1#2 1; FD1#3 1; FD1#4 1; FD1#5 1; FD1#6 1; FD1#7 1; FD1#8 1; FD1#9 1; FD1#10 1; FD1#11 1; FD1#12 1; FD1#13 1; FD1#14 1; FD1#15 1; FD1#16 1

## Via types
v1: diameter 0.5, hole 0.3, Top to Bottom, 2176 vias
v2: diameter 0.4, hole 0.2, Top to Bottom, 16 vias

## Routing (per net, layer and track width the routed paths; a pad name or vN(x,y) marks a point on that pad's centre or on a via; arc(x,y) is an arc through that point)
Board_0-BAT: length 8.6
  Top w0.4: R8#5.2 37.09,138 U1#3.7
Board_0-GND:
  vias: v1(1.12,145.18) v1(1.85,146.6) v1(1.9,141.5) v1(2.2,136.8) v1(3.2,146.55) v1(3.5,133.4) v1(4.25,131.35) v1(6.3,145.6) v1(6.7,124.8) v1(7.3,148.8) v1(7.4,135.05) v1(8.8,146.25) v1(9,131) v1(9.9,133.3) v1(10.1,153.6) v1(10.21,122.01) v1(10.65,124.05) v1(10.95,156.6) v1(11.73,125.26) v1(11.8,134.26) v1(12.1,136.14) v1(12.72,122.04) v1(12.8,152.05) v1(14,133.59) v1(14.75,156.55) v1(15.15,153.5) v1(15.48,134.32) v1(15.5,132) v1(16.07,136.7) v1(16.52,134.26) v1(16.7,130.7) v1(16.96,121.73) v1(17.45,136.78) v1(17.78,124.4) v1(18.05,151.75) v1(18.33,131.15) v1(18.81,136.22) v1(19.05,137.21) v1(19.27,125.51) v1(19.4,155.85) v1(19.36,138.54) v1(19.4,127.2) v1(20.03,137.34) v1(20.4,136.46) v1(20.68,141.02) v1(20.9,128.8) v1(21.02,140.18) v1(20.96,138.83) v1(21.49,141.23) v1(21.8,153.9) v1(21.85,145.95) v1(21.79,140.51) v1(22.2,156.25) v1(22.2,147.6) v1(22.35,144.65) v1(22.4,151.95) v1(22.81,135.26) v1(22.95,133.59) v1(22.9,130.8) v1(23.4,131.85) v1(23.4,126.35) v1(24.41,141.7) v1(24.75,136.99) v1(24.8,144) v1(25.05,145.55) v1(24.99,140.66) v1(25,131) v1(25.1,156.05) v1(25.13,137.79) v1(25.15,135.85) v1(25.95,126.25) v1(26.15,128.8) v1(26.4,142.8) v1(26.48,133.55) v1(27.6,142) v1(28.55,126.25) v1(28.6,156.2) v1(30.2,144.2) v1(30.35,136.8) v1(30.6,142.8) v1(30.58,141.29) v1(31.2,126.05) v1(31.3,133.9) v1(32.6,155.3) v1(32.75,128.95) v1(33.2,146.2) v1(33.62,139.24) v1(33.64,126.07) v1(33.65,124.3) v1(33.7,136.3) v1(33.7,135.3) v1(34.1,134.1) v1(34.6,143.6) v1(34.85,121.05) v1(35.05,147.8) v1(35,122.8) v1(35.55,155.35) v1(35.9,133.2) v1(36.55,151) v1(38.41,123.13) v1(39.95,141.75) v1(40.05,155.5) v1(40.64,143.35) v1(40.99,122.32) v1(41.66,123.88) v1(42.15,146) v1(42.88,126.91) v1(43.13,123.02) v1(43.65,151.1) v1(43.94,133.26) v1(44.26,126.88) v1(44.65,155.5) v1(45,123) v1(45.1,150.2) v1(45.5,152.6) v1(46.05,136.16) v1(45.98,133.64) v1(46.5,123) v1(46.68,134.96) v1(46.81,129.27) v1(46.8,127) v1(47,153.45) v1(48.15,148.25) v1(49,133.2) v1(49.1,149.7) v1(51.27,135) v1(51.46,133.28) v1(52,152.3) v1(51.96,136.18) v1(52.55,142) v1(52.7,148.9) v1(52.75,137.15) v2(17.6,133.5)
Board_0-Net-(C4-Pad1): length 1.2
  Top w0.3: C4#10.1 22.9,141.63 23.2,141.33 U1#3.1
Board_0-Net-(C5-Pad2): length 1.5
  Top w0.25: C5#12.2 25.61,132.83 R2#2.1
Board_0-Net-(D1-Pad1): length 3.6
  Top w0.254: D1#8.1 D2#8.1 R1#15.1
Board_0-Net-(D1-Pad2): length 7.3
  Top w0.25: 23.7,138 22.41,138 22.01,137.6 22.01,133.36 D1#8.2
Board_0-Net-(D2-Pad2): length 5.8
  Top w0.25: D2#8.2 21.15,138 22.15,139 23.7,139
Board_0-Net-(D3-Pad1): length 18.5
  Top w0.5: U1#3.10 v1(28.8,141.95) v1(28.8,142.7) ; D3#10.1 19.75,153.3 v1(19.75,152.45) 19.75,152.4 v1(20.28,151.88)
  Bottom w0.5: v1(28.8,141.95) v1(28.8,142.7) 28.8,143.35 v1(20.28,151.88) 19.75,152.4 v1(19.75,152.45)
Board_0-Net-(D5-Pad1): length 1.4
  Top w0.254: R9#9.2 5,151.05 D5#14.1
Board_0-Net-(JP1-Pad2): length 1.9
  Top w0.254: R10.1 5,148.3 4.15,147.45 JP1#7.2
Board_0-Net-(K2-Pad1): length 2.4
  Top w0.3: R3#12.2 19.81,121.43 K2#11.1
Board_0-Net-(K2-Pad2): length 5.6
  Top w0.3: R4#8.2 20,122.68 23.48,122.68 K2#11.2
Board_0-Net-(K2-Pad3): length 5.7
  Top w0.3: K2#11.3 27.98,121.43 29.27,122.72 32.15,122.72 R6#11.2
Board_0-Net-(K2-Pad4): length 26.1
  Top w0.3: U1#3.6 28.88,136.93 R5#10.1 28.88,134.73 29.81,133.79 K2#11.5 ; K2#11.4 32.3,121.43 R7#14.2
  Bottom w0.3: K2#11.4 K2#11.5 K2#11.8
Board_0-Net-(L1-Pad2): length 9.3
  Top w0.3: 37.31,140.76 R8#5.1
  Top w0.4: 37.31,140.76 32.14,140.76 30.38,139 U1#3.8
Board_0-Net-(R2-Pad2): length 3.1
  Top w0.25: U1#3.5 23.2,136.45 24.06,135.59 R2#2.2
Board_0-Net-(R10-Pad2): length 1.2
  Top w0.254: R10.2 R9#9.1
Board_0-VCC: length 29.6
  Top w0.254: R1#15.2 18.1,137.91 17.4,138.62 C1#12.2 ; C3#16.1 11.7,147 JP1#7.1
  Top w0.3: 27.2,140 26.43,139.23 26.43,135.88 26.78,135.53 R5#10.2
  Top w0.5: 20.25,144.05 20.75,143.55 23.85,143.55 26.04,141.36 26.04,140.69 26.73,140 U1#3.9
Board_1-BAT: length 8.6
  Top w0.4: U1#8.7 91.09,138 R8#15.2
Board_1-GND:
  vias: v1(55.12,145.18) v1(55.85,146.6) v1(55.9,141.5) v1(56.2,136.8) v1(57.2,146.55) v1(57.5,133.4) v1(58.25,131.35) v1(60.3,145.6) v1(60.7,124.8) v1(61.3,148.8) v1(61.4,135.05) v1(62.8,146.25) v1(63,131) v1(63.9,133.3) v1(64.1,153.6) v1(64.21,122.01) v1(64.65,124.05) v1(64.95,156.6) v1(65.73,125.26) v1(65.8,134.26) v1(66.1,136.14) v1(66.72,122.04) v1(66.8,152.05) v1(68,133.59) v1(68.75,156.55) v1(69.15,153.5) v1(69.48,134.32) v1(69.5,132) v1(70.07,136.7) v1(70.52,134.26) v1(70.7,130.7) v1(70.96,121.73) v1(71.45,136.78) v1(71.78,124.4) v1(72.05,151.75) v1(72.33,131.15) v1(72.81,136.22) v1(73.05,137.21) v1(73.27,125.51) v1(73.4,155.85) v1(73.36,138.54) v1(73.4,127.2) v1(74.03,137.34) v1(74.4,136.46) v1(74.68,141.02) v1(74.9,128.8) v1(75.02,140.18) v1(74.96,138.83) v1(75.49,141.23) v1(75.8,153.9) v1(75.79,140.51) v1(75.85,145.95) v1(76.2,156.25) v1(76.2,147.6) v1(76.4,151.95) v1(76.35,144.65) v1(76.81,135.26) v1(76.9,130.8) v1(76.95,133.59) v1(77.4,131.85) v1(77.4,126.35) v1(78.41,141.7) v1(78.8,144) v1(78.75,136.99) v1(78.99,140.66) v1(79,131) v1(79.1,156.05) v1(79.05,145.55) v1(79.13,137.79) v1(79.15,135.85) v1(79.95,126.25) v1(80.15,128.8) v1(80.4,142.8) v1(80.48,133.55) v1(81.6,142) v1(82.6,156.2) v1(82.55,126.25) v1(84.2,144.2) v1(84.35,136.8) v1(84.6,142.8) v1(84.58,141.29) v1(85.2,126.05) v1(85.3,133.9) v1(86.6,155.3) v1(86.75,128.95) v1(87.2,146.2) v1(87.62,139.24) v1(87.64,126.07) v1(87.7,136.3) v1(87.7,135.3) v1(87.65,124.3) v1(88.1,134.1) v1(88.6,143.6) v1(88.85,121.05) v1(89,122.8) v1(89.05,147.8) v1(89.55,155.35) v1(89.9,133.2) v1(90.55,151) v1(92.41,123.13) v1(93.95,141.75) v1(94.05,155.5) v1(94.64,143.35) v1(94.99,122.32) v1(95.66,123.88) v1(96.15,146) v1(96.88,126.91) v1(97.13,123.02) v1(97.65,151.1) v1(97.94,133.26) v1(98.26,126.88) v1(98.65,155.5) v1(99,123) v1(99.1,150.2) v1(99.5,152.6) v1(99.98,133.64) v1(100.05,136.16) v1(100.5,123) v1(100.68,134.96) v1(100.81,129.27) v1(100.8,127) v1(101,153.45) v1(102.15,148.25) v1(103,133.2) v1(103.1,149.7) v1(105.27,135) v1(105.46,133.28) v1(106,152.3) v1(105.96,136.18) v1(106.55,142) v1(106.7,148.9) v1(106.75,137.15) v2(71.6,133.5)